# KiCad board Wireless Video Glass.kicad_pcb (continued)
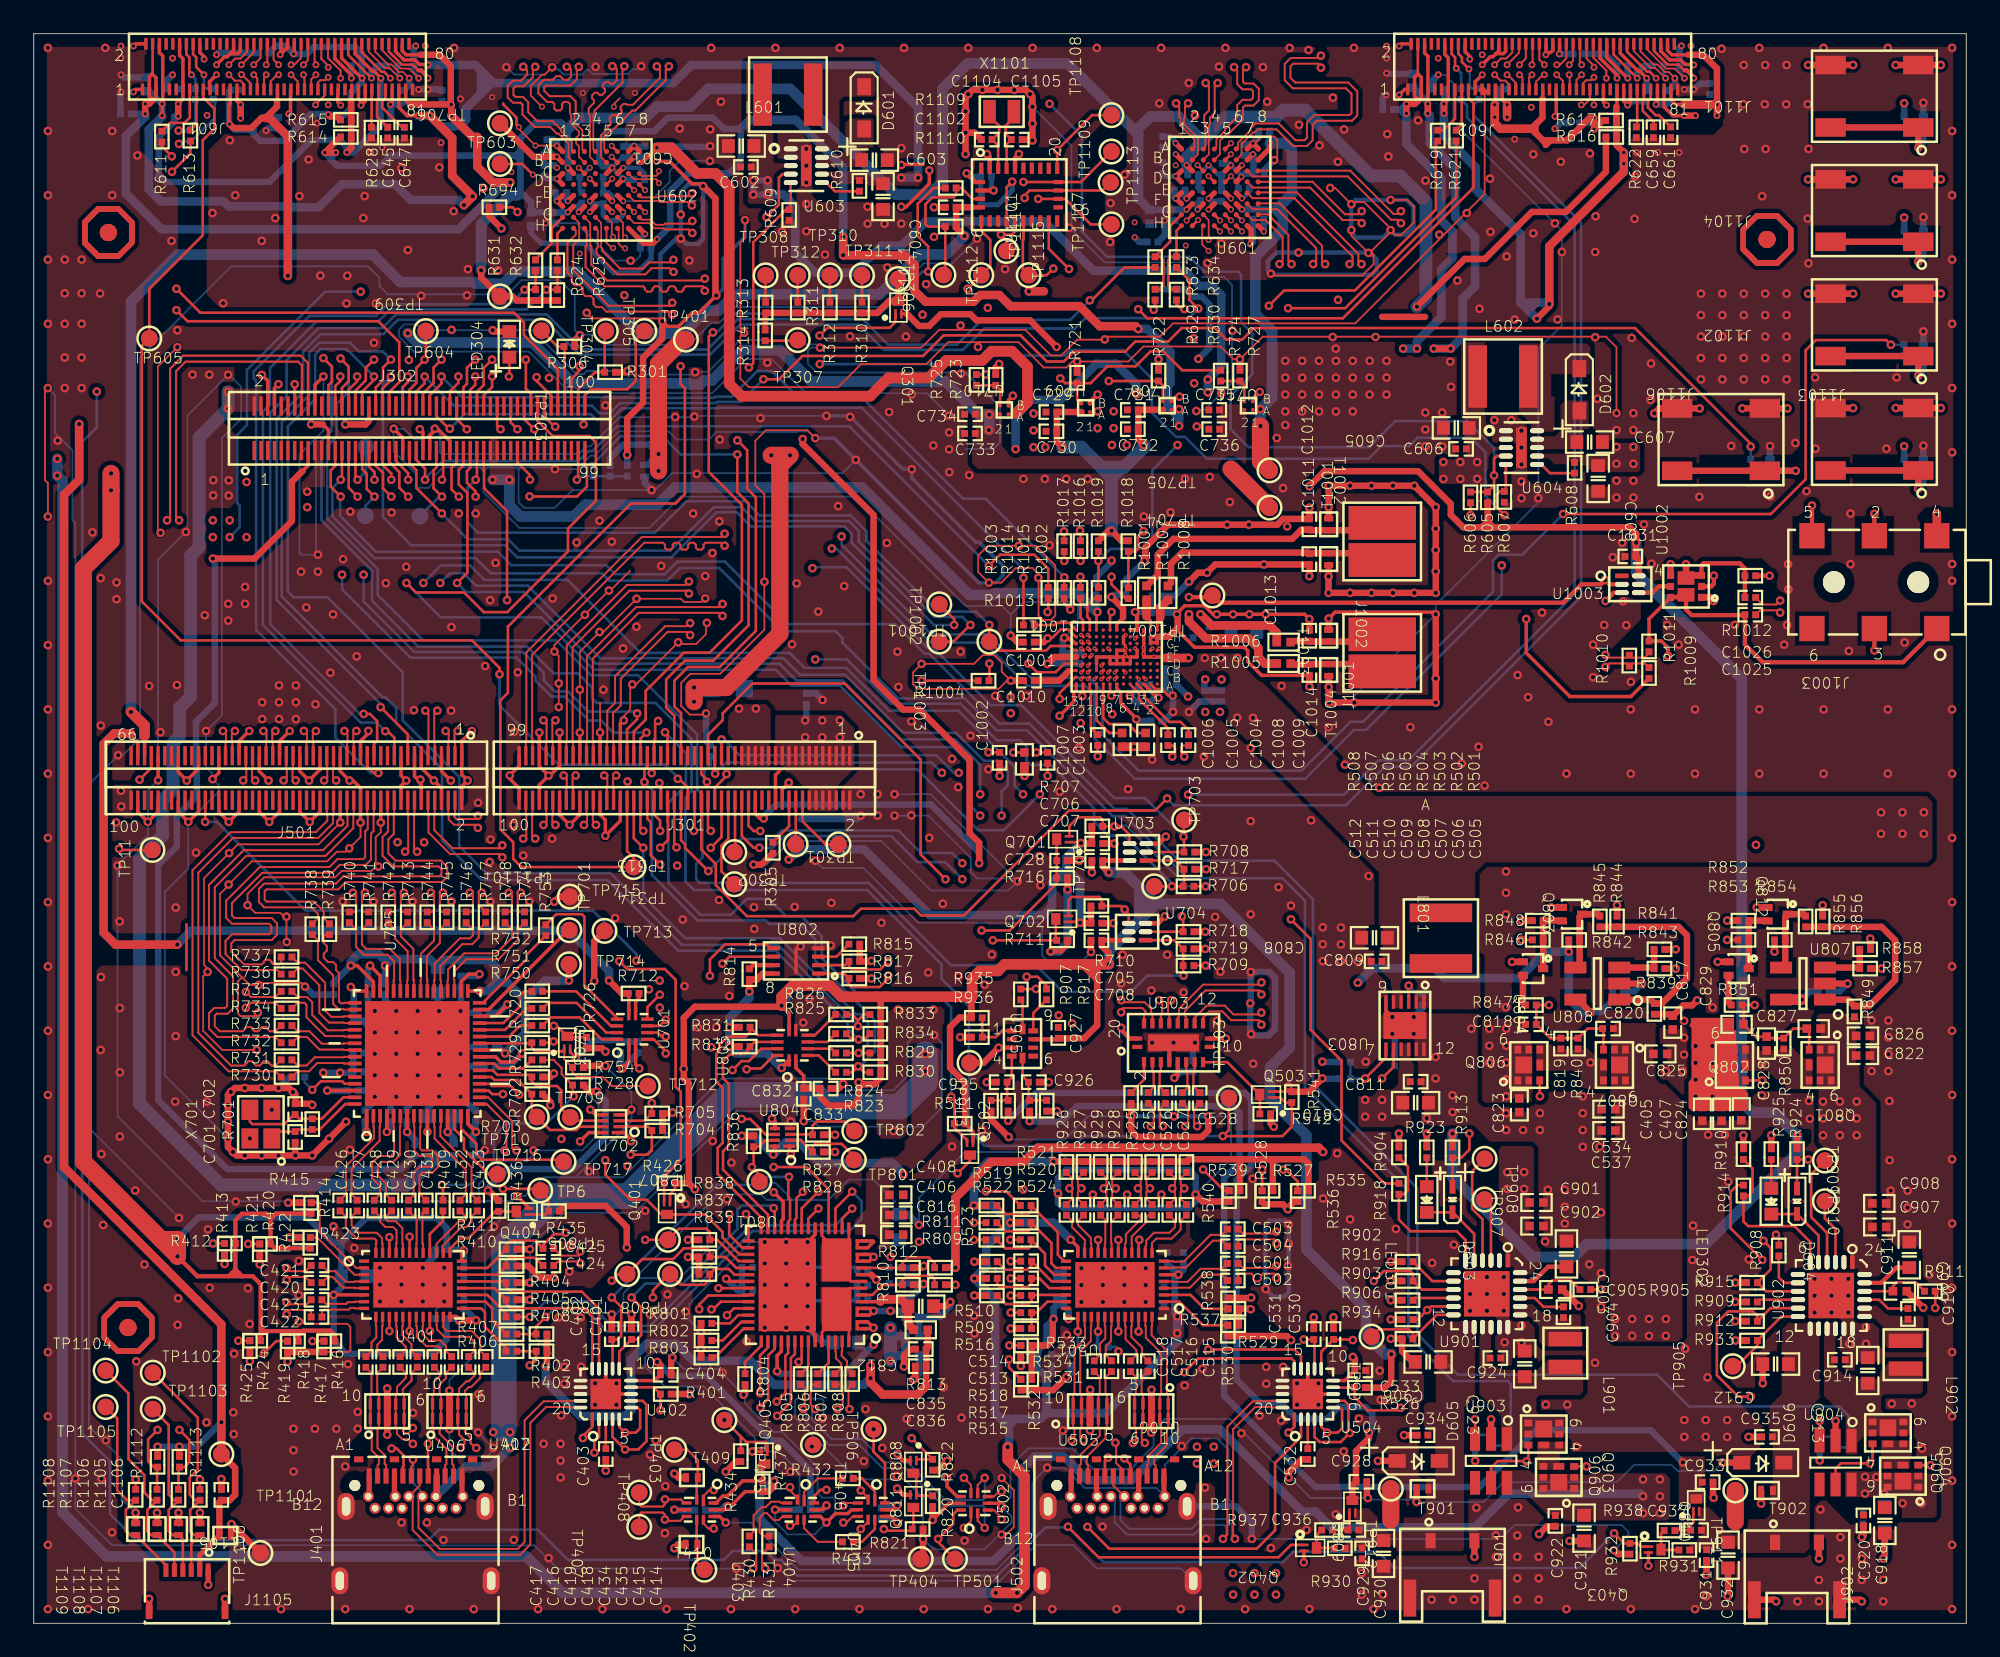
[diagram p0: board, top side]
## Routing (per net, layer and track width the routed paths; a pad name or vN(x,y) marks a point on that pad's centre or on a via; arc(x,y) is an arc through that point) (continued)
  TOP w0.203: v4(36.91,86.66) 37.69,86.66 39.01,85.34 39.54,85.34 v1(39.68,85.2) ; J601.18 9.85,93.12 10.1,92.87 v5(10.1,92.73) ; J501.50 15.77,48.1 v1(16.36,47.51) 16.97,48.12 J501.44 ; v5(85.86,92.4) 86.34,92.87 86.49,92.87 86.68,93.06 ; U404.8 46.63,6.33 v1(46.99,5.97) 47.52,6.5 48.25,6.5 48.48,6.73 48.86,6.73 ; U1001.E12 62.31,57.39 v2(62.31,57.39) ; J501.61 13.37,50.51 v1(13.92,49.96) ; U801.20 46.32,23.05 v1(45.87,22.6) ; U701.7 35.68,36.87 35.88,37.07 R712.1 ; v1(30.52,50.25) 30.59,50.25 31.17,50.83 J301.87 v1(31.17,52.81) ; v1(30.52,50.25) 29.97,49.7 J301.94 ; v1(30.52,50.25) 29.97,50.8 J301.93 v1(29.97,52.81) ; J602.29 87.05,90.31 v5(87.34,90.02) ; 86.68,93.06 87.12,93.06 87.25,93.19 J602.30 ; 86.68,93.06 86.85,93.23 J602.28 ; v1(58.04,72.77) 57.78,72.51 U710.B1 ; v1(45.87,17.52) 46.32,17.07 U801.51 ; J501.79 9.77,50.66 v1(9.07,49.96) 8.57,50.46 J501.85 ; v1(75.29,3.61) 75.29,3.61 Q402.2 ; 11.65,93.06 12.09,93.06 12.25,93.21 J601.30 ; 11.65,93.06 11.85,93.25 J601.28 ; 11.65,93.06 11.47,92.87 11.31,92.87 v5(10.83,92.4) ; 67.81,59.02 67.81,58.86 68.81,57.86 71.75,57.86 71.96,57.66 71.96,57.02 72.79,56.19 C1014.2 ; 6.42,90.93 6.06,90.93 v5(5.91,90.78) ; J302.45 21.87,70.28 v1(21.34,70.82) ; J602.45 90.25,89.41 v5(90.17,89.34) ; U1001.D10 U1001.E10 U1001.E9 U1001.E8 ; U1001.E8 U1001.E7 ; U1001.E8 U1001.D8 U1001.D7 ; U1001.E7 U1001.E6 U1001.D6 ; U1001.E7 U1001.F7 U1001.F6 ; U1001.E7 U1001.D7 ; U502.4 57.18,7.11 v1(57.37,6.92) ; 10.42,90.93 10.42,91.39 v5(10.83,91.8) ; U1001.D6 U1001.D5 U1001.E5 U1001.E4 U1001.F4 ; U1001.D6 U1001.D7 ; v5(89.64,92.99) 89.65,93 ; 89.65,93 89.77,93.12 89.92,93.12 90.05,93.25 J602.44 ; 89.65,93 J602.42 ; J501.7 24.17,50.51 v1(24.72,49.96) ; v2(64.71,58.59) 64.6,58.48 U1001.H6 U1001.G6 ; v1(34.97,53.53) 34.77,53.33 J301.69 ; v1(12.77,52.9) 12.17,52.3 J501.67 ; J602.67 94.65,90.17 v5(94.48,90) 94.25,90.23 J602.65 ; J602.75 96.25,90.12 v5(96.17,90.04) ; v5(18.2,90) 18.02,90.18 18.02,90.93 ; J501.2 25.37,49.61 v1(25.72,49.96) 25.37,50.31 J501.1 25.37,52.3 v1(25.97,52.9) ; v5(15.11,89.48) 15.22,89.59 15.22,90.93 ; 52.73,86.49 51.46,86.49 v1(51.43,86.45) ; J302.8 14.27,73.22 v1(14.5,73.46) ; J301.76 33.57,47.93 33.88,47.62 v1(33.88,46.69) 34.77,47.57 J301.70 ; v5(14.61,92.99) 14.62,93 ; U702.4 35.12,30.14 v1(35.43,30.45) ; v5(12.27,90.02) 12.05,90.24 J601.29 ; v1(37.97,6.73) 38.7,6.73 ; v1(67.92,72.72) 67.71,72.72 U708.B1 ; J301.75 v1(33.57,52.81) ; J302.53 23.47,70.41 23.77,70.71 v1(23.77,70.82) 23.94,70.82 24.67,70.08 J302.59 ; v1(44.75,49.83) 44.37,49.45 J301.22 ; J301.99 28.77,50.82 v1(28.22,50.27) 28.22,50.06 28.77,49.51 J301.100 ; J602.2 81.07,93.63 v5(80.93,93.5) ; v1(18.17,47.47) J501.38 ; J501.19 21.77,50.26 v1(22.08,49.96) 21.77,49.65 J501.20 ; U1001.B7 64.2,56.08 v2(64.09,55.97) ; J501.86 8.57,48.1 v1(9.16,47.51) 9.77,48.12 J501.80 ; v5(5.91,93.5) 6.04,93.63 6.62,93.63 ; U1001.G13 61.73,58.08 61.55,58.27 61.47,58.27 61.32,58.42 v1(61.09,58.42) ; J501.31 19.37,52.3 19.84,52.76 v1(19.84,52.9) ; U504.21 77.02,13.59 ; J501.55 14.57,52.3 v1(15.17,52.9) ; 64.71,57.39 v2(64.71,57.39) ; J501.43 16.97,50.61 v1(16.32,49.96) 15.77,50.51 J501.49 ; v1(51.18,5.97) 50.82,6.33 U405.8 ; J601.44 15.05,93.43 14.65,93.03 J601.42 ; U402.21 35.41,13.59 ; J501.13 22.97,50.71 v1(23.72,49.96) 24.17,49.51 J501.8 ; J602.58 92.85,92.79 93.86,91.78 v5(93.86,91.6) ; J501.37 18.17,50.51 v1(18.72,49.96) 18.92,49.96 19.37,49.51 J501.32 v1(19.37,47.47) ; v1(76.76,59.56) 77.14,59.94 82.98,59.94 v1(83.11,59.82) ; J501.14 22.97,49.71 22.92,49.77 v1(22.92,50.01) 22.77,50.01 22.57,50.22 J501.15 ; J302.14 v1(15.47,73.46) ; v1(28.65,25.32) 29.36,24.62 Q404.2 ; J602.59 93.05,90.18 v5(93.23,90) ; v1(51.43,83.97) 51.71,83.97 53.09,85.34 v1(53.09,86.13) ; 64.71,57.79 v2(64.71,57.79) ; J501.92 7.37,48.12 v1(6.76,47.51) 6.17,48.1 J501.98 ; Q405.2 42.6,10.19 v1(42.6,10.19) ; J501.73 10.97,50.41 v1(10.6,50.04) ; 54.95,7.51 54.74,7.51 54.14,8.11 v1(54.14,8.62) ; J601.67 19.65,90.23 19.41,89.99 v5(19.41,89.99) 19.41,90.2 19.25,90.35 J601.65 ; J501.62 13.37,48.1 v1(13.96,47.51) 14.57,48.12 J501.56 ; v1(67.77,59.82) 67.77,59.84 67.81,59.88 67.81,59.91 68.22,60.33 69.39,60.33 69.9,59.82 v1(70.13,59.82) v1(71.09,59.82) v1(72.06,59.82) v1(73.02,59.82) 75.33,59.82 v1(75.62,59.53) ; v5(85.86,91.8) 85.45,91.39 J602.21 ; v1(20.57,47.47) J501.26 ; J301.88 31.17,47.93 v1(31.77,47.33) 32.37,47.93 J301.82 ; J501.68 12.17,48.12 v1(11.56,47.51) 10.97,48.1 J501.74 ; U711.B1 72.26,72.59 v1(72.67,73) ; v5(85.13,92.73) 85.13,92.89 84.85,93.17 J602.18 ; v5(18.83,91.6) 18.83,91.78 17.85,92.76 J601.58 ; v1(17.17,73.91) 16.67,73.41 J302.20 ; v5(80.93,90.6) 81.26,90.93 J602.1 ; J301.81 v1(32.37,52.81) ; v1(43.94,6.73) U404.4 ; J601.75 21.25,90.15 v5(21.14,90.04) ; v1(40.46,78.71) 39.42,77.67 39.01,77.67 38.23,76.89 37.57,76.89 v1(37.26,77.19) ; 65.29,57.79 v2(65.29,57.8) ; v1(41.02,5.97) 40.66,6.33 U403.8 ; v1(95.71,3.4) Q403.2 ; U803.6 80.16,36.32 v1(80.53,35.94) ; v2(65.28,58.37) 65.29,58.37 ; v1(7.37,49.98) J501.91 ; 66.54,58.14 U1001.G1 U1001.H1 U1001.H2 U1001.G2 66.25,58.14 66.54,58.14
  TOP w0.229: U402.21 33.91,15.09 ; U504.21 75.52,15.09
  TOP w0.254: v1(58.39,87.1) 58.17,86.87 U1101.25 ; v1(63.07,72.85) 62.61,72.39 U709.B1 ; Q808.2 51.52,9.65 51.2,9.96 v1(51.2,10.05) ; U503.5 67.31,34.17 v1(67.56,34.42) ; U503.11 v1(70.67,34.67) ; 97.83,92.06 97.99,92.06 98.4,91.65 v5(98.4,91.6) ; v1(64.46,35.3) 64.46,35.17 64.97,34.67 U503.20 ; v1(55.3,85.96) 55.81,85.44 U1101.2 ; U1003.3 93.66,61.09 v1(93.17,60.6) ; v1(57.19,34.12) U905.3 ; 22.8,92.06 22.96,92.06 23.37,91.65 v5(23.37,91.6)
  TOP w0.279: v1(67.11,46.63) 66.69,46.22 U703.3 ; U704.3 66.64,41.5 v1(67.06,41.91)
  TOP w0.305: U602.F1 31.04,84.31 v4(31.01,84.31) U602.E1 ; J502.B1 67,7.57 J502.A12 ; U601.D1 v4(67.69,85.79) 67.72,85.79 U601.C1 ; v4(67.69,87.74) U601.A1 ; U601.F5 v4(70.97,83.81) ; J502.B12 61.5,7.57 J502.A1 ; U601.E6 v4(71.62,84.46) ; U602.H8 v4(36.24,82.36) ; U602.F5 v4(34.29,83.66) ; U601.E1 v4(67.69,84.46) 67.72,84.46 U601.F1 ; J401.A1 19.88,7.57 J401.B12 ; J401.A12 25.38,7.57 J401.B1 ; U602.C1 31.04,85.64 v4(31.01,85.64) U602.D1 ; U602.A8 35.9,87.28 v4(35.59,87.59) U602.A7 ; U601.A7 v4(72.27,87.74) 72.58,87.43 U601.A8 ; U601.H8 v4(72.92,82.51) ; v4(31.01,87.59) U602.A1 ; v1(10.34,2.28) J1105.1 ; v4(69.64,83.81) U601.F4 ; U602.E5 v4(34.29,84.31) ; U602.E6 v4(34.94,84.31) ; U602.C6 v4(34.94,86.29) ; U601.E5 v4(70.97,84.46) ; v4(32.96,83.66) U602.F4 ; U601.C6 v4(71.62,86.44)
  TOP w0.381: R708.2 v1(69.49,45.72) ; v1(110.38,85.6) J1104.3 v1(113.04,85.6) ; R540.2 69.29,25 v1(68.87,25.42) ; T1106.1 v1(9.85,6.55) ; R434.2 41.62,9.59 v1(41.02,8.98) ; v1(108.36,1.3) 108.26,1.39 J902.3 ; v1(42.08,13.55) 42.16,13.63 R804.1 ; C833.2 47.7,31.7 v1(47.98,31.98) ; R856.1 v1(106.05,42.57) ; v1(33.88,33.05) 32.68,33.05 R754.2 ; v1(110.38,72.04) J1103.3 v1(113.04,72.04) ; R843.1 v1(97.33,38.81) ; v1(54.91,34.75) R936.1 ; T1002.1 v1(76.76,66.17) v1(76.76,67.44) v1(78.03,67.44) v1(79.3,67.44) v1(80.57,67.44) v1(81.84,67.44) v1(83.11,66.17) v1(83.11,64.9) v1(83.11,63.63) v1(83.11,62.36) v1(83.11,61.09) v1(81.84,61.09) v1(80.57,61.09) v1(79.3,61.09) v1(78.03,61.09) v1(76.76,61.09) 76.75,61.09 v1(76.75,62.06) 76.76,62.06 T1001.1 ; v1(113.04,78.82) J1102.3 v1(110.38,78.82) ; C922.2 89.7,5.75 v1(89.23,5.28) ; v1(62.67,39.79) C708.2 ; R530.2 74.28,17.03 v1(74.52,16.79) ; R417.2 15.05,16.09 R419.2 v1(15.05,15.51) ; v1(75.61,62.08) 75.62,62.08 C1011.2 v1(72.92,62.77) 70.03,62.77 v1(69.55,62.28) 69.01,62.28 v1(68.48,61.75) ; 80.43,82.56 v1(80.43,82.59) ; v1(52.76,20.12) 52.7,20.07 R810.1 ; v1(79.12,81.24) 79.18,81.24 ; v1(100.86,19.05) R909.1 ; v1(85.4,3.94) J901.2 ; v1(57.23,74.66) 57.02,74.45 R723.1 ; R821.2 v1(52.72,5) 52.72,3.95 TP404.1 ; v1(39.68,85.2) 40.41,84.47 40.41,78.76 v1(40.46,78.71) ; v1(62.72,44.52) C707.2 ; v1(101.28,72.02) J1106.3 v1(103.95,72.02) ; 79.93,77.45 82.47,77.45 ; C404.2 37.79,15.67 v1(37.86,15.75) ; v1(20.95,11.18) U406.3 ; v1(57.91,17.48) R515.2 ; v1(80.44,21.44) R902.1 ; v1(105.18,85.6) J1104.4 v1(107.84,85.6) ; v1(101.65,11.05) C935.2 ; R718.1 v1(69.44,41) ; v1(37.97,4.44) 38.2,4.67 T410.1 ; U904.2 v1(106.81,11.99) ; v1(80.44,16.87) R934.1 81.11,16.12 81.74,15.49 C906.2 ; v1(58.51,15.26) R534.2 ; v1(99.82,39.21) Q805.2 ; v1(55.24,88.37) 55.76,88.37 C1104.2 ; v1(55.24,88.37) v1(55.24,87.1) ; v1(55.24,88.37) v1(55.24,89.64) 55.24,90.49 v1(55.4,90.65) 55.65,90.91 v1(56.24,90.91) v1(57.12,90.91) v1(58.12,90.91) 58.8,90.91 v1(59.05,90.65) 59.2,90.51 v1(59.2,89.91) v1(59.2,88.91) v1(59.2,87.91) 59.15,87.96 C1105.2 ; C836.2 52.26,14.56 v1(52.15,14.45) ; C728.2 v1(61.98,45.21) ; v1(45.64,29.77) C832.2 ; J1103.4 v1(107.84,72.04) ; C812.1 54.08,18.8 v1(54.33,19.05) ; C918.1 109.73,3.93 v1(109.63,3.84) ; v1(67.77,59.82) 67.81,59.78 67.81,59.02 67.27,58.48 U1001.H1 ; v1(100.86,16.76) R933.1 ; v1(13.4,21.27) R421.2 ; C1013.2 v1(75.62,59.53) ; v1(32.37,76.36) 32.07,76.06 R306.2 ; C706.2 v1(64.06,46.23) ; TP715.1 31.17,43.08 v1(30.86,42.77) ; R305.2 43.14,44.97 v1(42.67,44.97) ; R541.2 75.59,31.51 v1(76.38,32.3) ; R435.2 31.46,24.74 33.91,24.74 35.15,23.5 v1(35.15,22.28) ; C701.2 15.49,27.75 v1(15.51,27.73) ; C928.2 79.02,7.49 v1(79.09,7.42) ; v1(75.62,66.14) C1012.2 74.06,65.47 73.71,65.13 v1(72.03,65.13) v1(70.74,65.13) 67.23,65.13 v1(66.8,64.69) 65.89,63.78 65.89,63.02 v1(65.85,62.98) ; C1001.2 58.3,58.17 v1(57.91,58.56) ; J1105.7 v1(11.34,1.45) ; v1(27.2,76.66) 27.28,76.58 LED304.2 ; v1(15.08,24.93) R415.2 ; R721.1 v1(61.85,74.8) ; T1105.1 11.7,5.86 v1(11.72,5.88) TP1106.1 ; v1(33.91,9.04) C403.2 ; v1(80.44,18.01) R906.2 ; v1(102.39,7.09) T902.1 ; C531.2 v1(75.88,18.14) ; v1(62.62,13.84) 62.61,13.84 U505.8 ; v1(89.94,42.44) Q803.2 ; U1002.4 v1(97.03,62.78) ; U506.3 66.25,13.84 v1(66.26,13.84) ; v1(56.49,32.08) C925.2 ; v1(57.78,28.83) 56.74,29.87 R926.2 ; C1106.1 v1(11.12,8.55) ; U506.8 66.25,11.31 v1(66.24,11.3) ; v1(103.28,1.3) 103.18,1.39 J902.4 ; T1004.1 v1(76.76,55.5) 76.76,54.61 v1(76.78,54.58) v1(78.28,54.58) v1(83.11,54.58) v1(83.11,56.01) v1(83.11,59.82) ; v1(87.63,39.21) Q804.2 ; C532.2 75.14,9.71 74.39,8.96 v1(74.39,8.64) ; R301.2 35.13,74.17 v1(35.2,74.24) ; v1(52.76,21.18) 52.65,21.08 R812.1 ; v1(99.14,2.87) 99.16,2.9 C931.2 ; R722.1 v1(66.67,74.93) ; v1(55.75,19.43) R516.2 ; TP913.1 56.3,33.22 v1(57.19,34.12) ; v1(37.26,77.19) 37.26,76.17 36.12,75.03 36.12,72.36 35.18,71.42 v1(35.18,69.27) ; C921.1 91.04,4.88 v1(91.03,4.88) ; v1(105.18,78.82) J1102.4 v1(107.84,78.82) ; R932.2 93.91,4.1 v1(93.68,4.33) ; J602.23 86,90.78 ; R928.2 v1(60.66,30.36) ; T1107.1 v1(8.58,6.55) ; C905.1 v1(91.58,18.81) ; R803.1 R802.1 v1(39.56,17.27) R801.1 ; v1(96.06,71.73) 96.36,72.02 J1106.4 v1(98.75,72.02) ; R532.2 60.43,13.82 v1(61.21,14.6) ; R717.1 v1(69.49,44.7) ; v1(53.37,83.95) C1102.2 ; R411.2 v1(29.41,22.17) ; v1(80.44,20.29) R916.1 ; C926.2 v1(60.17,32.08) ; v1(54.14,9.62) 53.6,9.08 R822.2 ; v1(105.18,92.38) J1101.4 v1(107.84,92.38) ; v1(99.58,60.6) 99.36,60.82 U1002.1 ; U807.2 v1(107.52,37.92) ; R525.1 v1(65.05,30.05) 65.05,29.21 65.43,28.83 69.24,28.83 69.62,29.21 v1(69.62,30.05) ; v1(12.81,15.53) R425.2 ; T1108.1 v1(7.31,6.55) ; v1(80.44,19.15) R903.1 ; C920.2 108.46,5.2 v1(108.36,5.11) ; R536.2 74.72,25 74.34,24.62 v1(74.34,24.54) 74.04,24.84 72.97,24.84 R528.2 ; v1(11.31,21.3) R413.2 ; C401.2 v1(35.43,18.31) ; v1(72.16,19.3) 72.14,19.28 R538.2 ; v1(57.91,55.88) C1010.2 ; R405.1 v1(29.41,19.18) ; U903.2 v1(86.39,12.09) ; R904.1 v1(80.92,29.03) ; R844.1 v1(93.85,42.57) ; v1(18.51,29.73) v1(17.51,28.73) v1(16.51,27.73) v1(15.51,27.73) ; C911.1 v1(112,18.71) ; T1109.1 v1(6.04,6.55) ; v1(100.86,20.19) R915.1 ; v5(12.27,89.22) v5(12.27,90.02) ; v1(88.19,41.66) R848.1 ; U407.8 v1(24.64,13.79) ; C705.2 v1(64.01,41.5) ; v1(15.51,27.73) v1(14.51,27.73) v1(13.51,27.73) v1(12.51,27.73) 12.02,27.73 v1(11.81,27.94) 11.51,28.24 v1(11.51,28.73) v1(11.51,29.73) v1(11.51,30.73) 11.51,31.32 v1(11.68,31.5) 11.92,31.73 v1(12.51,31.73) v1(13.51,31.73) v1(14.51,31.73) 15.13,31.73 v1(15.37,31.5) 15.51,31.35 15.51,30.82 C702.2 16.44,30.8 v1(16.51,30.73) ; v1(100.38,41.66) R852.1 ; v1(37.97,8.87) 38.21,8.64 T409.1 ; R910.1 v1(101.35,28.93) ; 99.54,7.48 C933.2 ; v1(110.38,92.38) J1101.3 v1(113.04,92.38) ; R727.1 v1(71.5,74.93) ; v1(102.49,14.23) C912.2 ; R857.1 v1(109.52,38.81) ; v1(105.82,3.84) J902.2 ; 100.43,1.63 C932.1 ; v1(102.13,42.44) Q812.2 ; R719.1 v1(69.44,39.98) ; C835.2 51.97,16.26 51.59,15.88 v1(51.59,15.21) ; T1003.1 v1(76.76,59.56) ; v1(62.61,11.43) U505.3 ; U808.2 v1(95.33,37.92) ; C402.2 v1(34.26,18.31) ; R694.2 26.98,83.43 v1(27.72,82.69) ; v1(57.25,50.24) C1002.2 ; v1(100.86,17.91) R912.2 ; v1(100.1,9.53) D606.1 ; v1(55.75,21.44) R510.1 ; v1(81.23,11.15) C934.2 ; R404.1 v1(29.41,20.19) ; v1(79.68,9.63) D605.1 ; v1(15.18,22.88) R423.2 ; U406.8 v1(20.95,13.92) ; C530.2 v1(77.05,18.14) ; v1(24.64,11.51) U407.3 ; J1105.8 v1(6.84,1.45) ; v1(75.62,55.53) C1014.2 ; v1(81.97,7.19) T901.1
  TOP w0.508: v5(87.34,89.29) v5(87.34,90.02) ; v1(58.99,78.96) 59.88,78.96 ; C1004.2 v1(65.23,51.96) C1005.2 ; v1(58.72,50.24) C1007.2
  GND02 w0.127: v2(62.31,57.39) 61.8,57.39 61.29,56.88 v3(61.06,56.88)
  GND02 w0.203: v1(64.97,54.99) 64.74,55.22 64.74,55.31 v2(64.09,55.97)
  GND02 w0.381: 61.77,7.87 61.45,7.55 J502.B12
  ART03 w0.102: v1(42.6,10.19) 41.83,10.19 39.88,12.14 36.69,12.14 35.87,12.95 v1(34.54,12.95) ; v1(60.66,30.36) 57.55,30.36 56.62,29.44 51.21,29.44 v1(50.95,29.18) 50.7,29.44 47.26,29.44 46.1,28.27 43.61,28.27 42.86,27.52 41.56,27.52 v1(41.35,27.31) 41.19,27.31 40.88,27 38.4,27 37.75,26.35 37.75,25.96 v1(36.25,24.46) 36.11,24.59 31.63,24.59 29.41,22.37 v1(29.41,22.17) 29.39,22.17 28.47,21.26 28.47,17.35 26.49,15.36 v1(18.63,15.36) 15.2,15.36 v1(15.05,15.51) 15.05,16.37 13.73,17.69 13.73,19.15 14.11,19.53 15.63,19.53 v1(15.71,19.45) 18.52,22.25 v1(19,22.25) 19,22.73 19.79,23.52 v1(27.28,23.52) 29.11,23.52 31.15,25.56 35.7,25.56 38.87,28.74 ; v1(40.64,65.33) 38.85,63.54 38.03,63.54 37.2,62.71 v1(37.2,62.68) 36.96,62.44 36.96,56.52 36.09,55.66 v1(35.48,55.66) 34.08,55.66 v1(33.77,55.35) 33.62,55.2 33.62,52.86 v1(33.57,52.81) ; v1(47.24,40.19) 46.88,40.19 45,38.31 41.96,38.31 41.85,38.21 41.85,36.94 41.96,36.84 42.93,36.84 43.28,37.19 45.04,37.19 45.19,37.03 v1(45.97,37.03) 46.57,37.03 47.21,37.68 50.7,37.68 51.78,38.76 51.78,39.9 51.49,40.19 v1(47.24,40.19) ; v1(47.24,40.19) 47.61,40.56 47.79,40.56 49.87,42.64 49.99,42.51 58.27,42.51 60.76,40.03 62.44,40.03 v1(62.67,39.79) 62.13,39.25 60.11,39.25 ; v4(67.69,84.46) 67.64,84.41 64.05,84.41 v1(63.83,84.2) 63.64,84.39 61.95,84.39 61.31,83.75 61.31,82.8 61.33,82.78 ; v4(36.91,86.66) 36.91,86.79 37.36,87.25 37.36,87.73 37.22,87.88 35.88,87.88 v4(35.59,87.59) 35.2,87.98 31.4,87.98 v4(31.01,87.59) 29.47,87.59 26.95,85.06 v1(26.65,85.06) 25.82,85.06 24.89,84.14 v1(24.89,83.72) ; v1(12.77,52.9) 12.27,52.4 12.01,52.4 10.6,50.99 v1(10.6,50.04) 10.72,49.92 10.72,48.54 11.56,47.71 v1(11.56,47.51) 11.09,47.04 11.09,41.92 12.2,40.81 17.09,40.81 18.31,42.04 v1(18.31,42.8) ; v1(67.53,54.03) 67.53,53.69 66.89,53.05 64.92,53.05 64.57,53.4 64.57,54.59 v1(64.97,54.99) 64.47,55.5 61.93,55.5 61.69,55.26 61.69,54.46 64.19,51.96 v1(65.23,51.96) ; v1(15.17,52.9) 15.17,52.53 13.68,51.03 12.83,51.03 11.95,50.16 11.95,49.64 12.16,49.43 12.27,49.43 ; v1(63.8,81.89) 63.8,81.74 62.81,80.75 60.82,80.75 60.67,80.9 58.01,80.9 57.58,80.47 ; v1(63.8,81.89) 63.92,81.78 65.43,81.78 66.82,83.17 ; v1(63.8,81.89) 64.72,82.8 64.72,83.26 64.9,83.44 65.58,83.44 65.86,83.17 66.82,83.17 ; v1(35.15,22.28) 35.15,22.64 36.06,23.54 ; v1(27.52,80.21) 27.04,79.73 26.01,79.73 25.74,79.99 v1(25.74,80.27) ; v1(27.52,80.21) 27.05,80.69 26,80.69 25.74,80.43 v1(25.74,80.27) ; v1(27.52,80.21) 30.61,80.21 30.89,80.49 ; v1(25.74,80.27) 25.67,80.21 24.83,80.21 23.66,81.38 22.21,81.38 v1(22.18,81.41) 21.64,81.96 v1(13.51,81.96) v1(8.17,81.96) ; 38.58,57.77 v1(38.2,58.16) 38.06,58.3 38.06,61.67 38.7,62.31 39.57,62.31 v1(39.8,62.08) 41.3,62.08 48.19,68.97 v1(48.73,68.97) 48.73,69.08 49.58,69.93 49.58,77.58 52.9,80.9 57.19,80.9 57.58,80.51 57.58,80.47 ; 38.58,57.77 38.86,57.5 41.41,57.5 ; 38.58,57.77 38.58,54.57 ; v1(57.78,28.83) 59.74,26.87 61.42,26.87 61.9,27.36 61.9,28.83 67.49,34.42 v1(67.56,34.42) ; v1(24.89,83.72) 24.48,83.31 v1(19.54,83.31) v1(14.32,83.31) 14.29,83.28 10.92,83.28 v1(10.59,83.61) 10.31,83.89 10.31,88.36 10.36,88.41 10.27,88.5 v5(10.27,89.4) ; v1(24.89,83.72) 25.17,83.44 26.85,83.44 27.59,82.69 v1(27.72,82.69) 27.72,82.26 27.91,82.07 29.42,82.07 v4(30.36,83.01) 30.62,83.27 32.57,83.27 v4(32.96,83.66) ; v1(23.77,70.82) 22.37,69.41 8.07,69.41 3.93,65.27 1.18,65.27 v1(0.84,65.61) ; 66.82,83.17 v4(67.05,83.17) ; v1(31.23,10.64) 32.36,11.78 35.28,11.78 37.97,9.08 v1(37.97,8.87) ; 39.44,23.12 40.35,22.22 40.47,22.22 41.64,21.05 41.64,17.84 40.05,16.26 v1(39.55,16.26) 38.1,14.81 38.1,13.4 38.47,13.03 39.73,13.03 41.35,14.66 41.35,15.8 v1(42.26,16.7) 43.07,17.52 v1(43.33,17.52) ; 39.44,23.12 39.22,23.34 38.38,23.34 37.91,22.87 37.91,19.6 36.62,18.31 v1(36.53,18.31) v1(35.43,18.31) ; 39.44,23.12 39.44,19.36 37.82,17.74 37.82,15.79 v1(37.86,15.75) ; v5(21.14,90.04) 21.62,90.04 21.84,89.81 23.93,89.81 24.68,90.56 25.1,90.56 v5(25.29,90.37) ; v1(11.12,8.55) 11.12,9.85 11.64,10.37 11.64,12.16 11.4,12.4 10.72,12.4 v1(10.24,11.91) 9,13.15 9,23.53 8.61,23.92 v1(8.61,24.03) ; v5(8.23,91.8) 8.23,91.36 9.13,90.46 9.13,85.97 7.63,84.47 7.63,82.49 v1(8.17,81.96) ; v1(38.86,80.79) 40.01,80.79 40.63,81.41 43.26,81.41 v1(44.35,82.5) ; v5(25.29,90.37) 25.32,90.35 25.32,89.33 24.95,88.96 20.44,88.96 v5(19.41,89.99) 18.37,88.96 15.64,88.96 v5(15.11,89.48) 16.02,90.39 16.93,90.39 17.3,90.02 v5(17.46,90.02) ; v5(25.29,90.37) 25.39,90.47 v4(27.17,90.47) 27.17,90.57 27.52,90.91 32.36,90.91 v4(32.55,90.72) 32.83,90.72 33.03,90.93 35.43,90.93 v4(35.64,90.72) 36.88,90.72 37.02,90.86 40.08,90.86 v1(40.73,90.21) 40.77,90.21 41.19,89.78 41.19,84.4 40.38,83.59 38.43,83.59 v1(38.35,83.52) ; v1(43.33,21.33) 40.19,24.48 40.19,25.93 39.92,26.2 38.99,26.2 38.64,25.85 38.64,24.48 37.7,23.54 36.06,23.54 ; v1(64.01,70.85) 66.01,70.85 66.34,70.51 66.34,69.67 66.04,69.37 65.23,69.37 64.79,69.81 v1(64.79,69.85) ; v1(80.44,16.87) 80.95,16.36 80.95,15.63 80.29,14.97 v1(79.79,14.97) ; v1(26.34,48.64) 25.85,48.15 25.85,46.32 27.03,45.14 v1(27.03,45.14) 27.06,45.14 27.37,44.83 28.15,44.83 29.45,43.53 29.45,42.88 v1(29.38,42.8) 29.18,42.61 29.18,37.06 26.49,34.37 26.49,29.95 26.74,29.7 v1(26.74,28.04) ; v1(40.23,63.45) 40.35,63.34 41.23,63.34 42.81,64.92 42.81,64.93 48.39,70.51 v1(48.39,71.52) 48.39,76.29 v1(48.39,76.3) 48.39,78.17 v1(50.6,80.38) 50.62,80.38 52.5,82.26 53.3,82.26 v1(53.37,82.19) ; v1(72.16,34.92) 73.05,34.92 73.43,35.31 73.43,38.28 73.1,38.61 v1(72.14,38.61) ; 38.87,28.74 38.98,28.74 ; 38.87,28.74 38.93,28.79 ; v1(29.97,52.81) 29.97,52.84 29.74,53.07 29.74,54.83 29.62,54.96 ; 12.27,49.43 13.39,49.43 v1(13.92,49.96) ; 12.27,49.43 12.79,48.91 12.79,42.69 v1(12.67,42.57) 13.06,42.19 16.11,42.19 18.31,44.39 19.29,44.39 20.14,43.54 v1(20.14,42.8) ; 29.62,54.96 28.78,55.8 27.39,55.8 26.76,56.42 v1(26.76,56.75) ; 29.62,54.96 29.62,55.46 v1(28.7,56.38) 28.33,56.75 v1(26.76,56.75) ; v1(36.47,37.58) 35.58,37.58 35.47,37.46 31.52,37.46 31.22,37.77 31.22,38.65 31.32,38.75 35.88,38.75 38.09,40.97 38.09,41.35 v1(38.47,41.72) 38.47,42.39 41.06,44.97 v1(42.67,44.97) 43.54,45.85 45.26,45.85 45.91,45.2 v1(46.33,45.2) 46.33,44.96 44.74,43.37 41.11,43.37 v1(40.62,42.88) 40.13,42.38 40.13,41.48 37.1,38.45 v1(37.1,38.1) ; J502.2 71.12,9.68 71.12,10.72 70.54,11.3 v1(66.24,11.3) ; v1(8.17,81.96) 3.54,81.96 v1(0.84,84.66) ; 38.98,28.74 40.09,28.74 v1(40.25,28.59) 40.42,28.41 42.2,28.41 43.15,29.36 44.49,29.36 v1(44.88,29.75) 44.26,30.36 40.5,30.36 38.98,28.84 ; 38.98,28.74 38.98,28.84 ; 38.98,28.74 38.93,28.79 ; v1(55.91,82.08) 55.91,82.39 55.58,82.73 53.9,82.73 v1(53.37,82.19) ; v1(55.91,82.08) 56.36,82.08 56.61,81.83 58.62,81.83 59.56,82.78 61.33,82.78 ; v1(55.91,82.08) 55.62,81.79 53.77,81.79 v1(53.37,82.19) ; v5(87.34,89.29) 86.92,88.87 86.39,88.87 86.14,89.12 ; 28.29,31.72 27.42,32.59 27.42,33.96 28.12,34.67 29.55,34.67 30.68,33.53 v1(32.13,33.53) 32.13,32.96 31.29,32.13 28.7,32.13 28.29,31.72 ; 28.29,31.72 28.29,30.69 ; v1(52.15,14.45) 51.76,14.06 49.24,14.06 48.89,14.4 48.89,15.34 49.3,15.75 49.3,18.7 49.6,19 51.38,19 51.8,18.59 51.8,15.43 v1(51.59,15.21) ; v1(46.74,12.14) 46.9,12.31 46.9,12.86 47.21,13.17 49.09,13.17 49.3,12.96 v1(49.3,12.7) ; 36.53,69.65 36.73,69.85 37.49,69.85 37.77,69.57 37.77,67.62 v1(34.26,64.12) 30.9,60.76 v1(30.76,60.76) 29.19,59.19 19.34,59.19 19.14,58.98 v1(19.14,57.32) 19.14,57.25 19.43,56.97 24.03,56.97 ; 36.53,69.65 36.39,69.78 36.39,74.71 36.13,74.98 36.13,77.89 35.29,78.73 v1(35.01,78.73) 35.05,78.77 36.49,78.77 37.23,79.51 37.23,81.37 37.95,82.09 v1(38.35,82.09) 38.52,81.93 41.98,81.93 42.16,82.12 v1(42.16,83.19) 42.16,91.39 v1(40.16,93.4) 38.57,91.81 36.54,91.81 36.04,92.31 v1(36.01,92.31) 35.51,91.81 28.37,91.81 28.01,92.16 v1(28.01,92.25) 24.69,92.25 v5(23.37,90.93) ; 36.53,69.65 36.53,67.82 36.63,67.72 v1(36.63,67.18) ; 38.58,54.57 38.58,54.09 38.73,53.94 v1(39.85,53.94) 39.85,55.94 41.41,57.5 ; 38.58,54.57 38.45,54.44 35.43,54.44 34.97,53.98 v1(34.97,53.53) 35.27,53.23 35.27,45.75 35.74,45.28 35.74,42.53 35.18,41.97 34.63,41.97 v1(34.46,41.8) 34.29,41.97 33,41.97 32.32,42.65 32.32,46.03 31.77,46.59 v1(31.77,47.33) ; v5(24.15,87.78) 24.28,87.91 26.12,87.91 28.12,89.91 v4(30.13,89.91) 30.73,89.91 30.93,89.72 34.2,89.72 v4(34.39,89.9) 34.57,89.72 39.35,89.72 40.1,88.98 v1(40.1,88.57) ; v1(27.07,42.8) 27.07,43.52 24.56,46.02 24.56,47.91 24.1,48.37 21.3,48.37 19.82,49.84 19.82,50.56 17.93,52.45 17.93,53.32 18.11,53.5 19.24,53.5 v1(19.84,52.9) ; v1(74.97,81.26) 74.97,80.92 75.26,80.63 75.26,80.08 76.87,78.46 v1(77.32,78.46) ; v1(74.97,81.26) 76.04,81.26 76.5,81.73 76.5,84.74 v1(76.85,85.09) 77.95,86.19 80.7,86.19 80.8,86.29 80.8,86.46 v1(80.3,86.95) 80.8,87.45 80.8,87.7 80.7,87.8 78.69,87.8 78.15,88.35 78.15,91.15 78.89,91.9 v5(80.19,91.9) 80.28,91.8 v5(83.26,91.8) 83.28,91.78 85.84,91.78 v5(85.86,91.8) ; v1(74.97,81.26) 73.65,81.26 73.33,80.94 v1(73.33,80.01) 77.08,76.26 v1(79.54,76.26) 86.61,76.26 87.65,77.29 v1(87.79,77.29) 87.79,77.43 90.17,79.82 v1(90.17,82.99) v5(90.17,88.6) ; 84.96,77.93 v1(85.7,77.93) 86.7,77.93 88.89,80.12 v1(88.89,82.4) v1(88.89,87.09) 88.89,89.76 v5(88.77,89.87) ; 84.96,77.93 84.38,78.51 77.37,78.51 v1(77.32,78.46) ; 84.96,77.93 84.63,77.6 77.8,77.6 77.32,78.08 v1(77.32,78.46) ; v1(43.94,6.73) 43.89,6.78 43.89,7.78 44.66,8.54 45,8.54 ; 36.06,23.54 35.03,23.54 34.72,23.85 33.01,23.85 31.8,22.64 v1(31.8,22.38) ; 16.31,86.84 14.38,86.84 13.77,87.45 v5(13.77,88.49) ; 16.31,86.84 17.09,87.63 19.41,87.63 19.84,87.2 v5(19.97,87.2) 19.97,86.94 19.7,86.67 16.47,86.67 16.31,86.84 ; 86.14,89.12 86.11,89.15 86.11,90.25 86.28,90.42 87.15,90.42 87.34,90.24 v5(87.34,90.02) ; 86.14,89.12 86.14,83.76 86.35,83.55 v1(86.35,82.49) 86.18,82.32 v1(83.32,82.32) 80.7,82.32 v1(80.43,82.59) ; v1(58.51,15.26) 58.93,15.68 58.96,15.65 66.94,15.65 69.42,18.14 v1(75.88,18.14) 75.88,19.02 74.98,19.91 74.98,27.2 71.58,30.61 70.18,30.61 v1(69.62,30.05) ; v1(26.76,56.75) 26.54,56.97 24.03,56.97 ; 41.41,57.5 44.03,57.5 v1(46.51,59.97) v1(50.58,64.04) 53.33,66.8 53.33,69.82 v1(53.32,69.82) 53.33,69.83 53.33,73.32 55.67,75.67 v1(55.98,75.67) 58.88,75.67 59.51,76.3 60.79,76.3 61.85,75.24 v1(61.85,74.8) 61.85,74.77 62.26,74.36 66.1,74.36 v1(66.67,74.93) 66,74.93 64.99,75.94 64.99,78.24 65.32,78.57 69.33,78.57 69.52,78.38 69.52,75.94 70.07,75.38 71.05,75.38 v1(71.5,74.93) 72.21,75.64 72.21,80.7 72.92,81.41 v4(72.92,82.51) ; v4(36.24,82.36) 36.06,82.54 33.76,82.54 32.42,81.2 v4(32.37,81.2) 32.17,81 31.4,81 30.89,80.49 ; v1(57.58,80.28) 57.58,80.47 ; v1(45.64,29.77) 46.26,30.38 55.94,30.38 56.49,30.93 v1(56.49,32.08) ; v1(89.59,22.63) 87.32,24.9 82.65,24.9 82.06,25.48 82.06,30.69 83.1,31.73 v1(83.1,32.3) ; 11.76,84.84 v1(11.94,84.66) 11.99,84.61 v1(15.75,84.61) v1(19.61,84.61) 22.34,84.61 v1(24.04,86.31) 26.37,86.31 v4(28.76,88.7) 28.9,88.84 37.95,88.84 38.18,88.62 v1(38.29,88.62) 38.37,88.62 38.64,88.35 38.64,86.05 37.58,84.98 36.85,84.98 36.47,85.35 35.33,85.35 34.99,85.01 34.99,84.36 v4(34.94,84.31) ; 11.76,84.84 11.18,85.43 11.18,89.61 11.59,90.02 v5(12.27,90.02) ; 11.76,84.84 11.76,87.81 11.65,87.92 v1(11.62,87.92) 11.62,87.94 12.27,88.59 v5(12.27,89.22) ; 38.93,28.79 38.98,28.84 ; 30.89,80.49 30.89,76.99 31.45,76.43 32.31,76.43 v1(32.37,76.36) 32.44,76.43 32.7,76.43 33.89,75.23 v1(33.89,72.2) 33.89,67.52 30,63.62 28.13,63.62 v1(27.38,62.86) 25.69,61.18 21.35,61.18 v1(20.87,61.66) 17.6,61.66 v1(16.16,60.22) 16.16,55.02 v1(16.7,54.48) 17.27,54.48 17.58,54.79 24.05,54.79 v1(24.74,54.1) 24.8,54.16 26.03,54.16 26.73,53.46 26.73,51.38 27.84,50.27 v1(28.22,50.27) ; v1(31.45,14.2) 31.38,14.26 30.45,14.26 29.89,14.82 29.89,16.3 30.85,17.26 30.85,19.3 30.26,19.88 30.26,20.72 30.78,21.24 31.3,21.24 31.69,20.85 v1(31.75,20.85) 32.38,20.22 32.38,16.62 31.45,15.69 v1(31.45,15.2) ; v1(65.05,30.05) 65.05,30.63 v1(68.83,34.42) ; v1(51.18,5.97) 51.18,6.05 50.72,6.5 50.72,9.53 51.2,10.01 v1(51.2,10.05) ; v1(80.43,84.38) 80.81,84.76 81.94,84.76 82.5,85.32 v1(82.5,85.53) 82.5,88.67 ; v5(22.81,90.93) 22.56,91.19 19.24,91.19 v5(18.83,91.6) ; 45,8.54 44.67,8.88 41.13,8.88 ; 45,8.54 45.08,8.47 47.14,8.47 47.48,8.12 47.48,6.32 47.13,5.97 v1(46.99,5.97) ; v4(68.29,81.68) 66.85,81.68 65.78,80.6 64.05,80.6 63.02,79.58 63.02,79.57 62.18,78.73 59.61,78.73 59.38,78.96 v1(58.99,78.96) 58.82,78.8 58.82,78.5 58.18,77.85 56.69,77.85 v1(56.56,77.98) 56.37,78.17 56.37,79.44 56.12,79.69 55,79.69 52.88,77.58 v1(52.68,77.58) 52.68,77.37 51.7,76.38 v1(51.7,76.28) 50.56,75.14 50.56,71.95 v1(50.7,71.81) 50.52,71.62 50.52,69.06 v1(47.69,66.23) 43.31,61.85 v1(43.31,61.74) 43.2,61.74 42.06,60.61 41.3,60.61 41,60.91 39.96,60.91 v1(39.8,60.76) ; 41.13,8.88 41.75,8.25 41.75,6.7 v1(41.02,5.97) 41.02,6.36 40.65,6.73 40.65,7.39 41.02,7.76 v1(41.02,8.98) 41.13,8.88 ; v1(15.71,17.89) 16.49,17.89 17.73,16.65 25.72,16.65 27.03,17.96 27.03,18.8 26.75,19.08 v1(24.33,19.08) ; v1(35.72,59.08) 35.54,58.9 35.54,58.4 v1(34.93,57.79) 34.93,57.1 34.66,56.84 32.81,56.84 32.41,56.44 32.41,55.39 v1(32.37,55.35) v1(32.37,52.81) ; v1(22.45,42.8) 22.44,42.81 22.44,43.77 21.35,44.86 v1(20.43,44.86) 19.34,45.94 v1(18.7,45.94) 18.38,46.27 16.59,46.27 16.13,45.82 16.13,43.74 15.67,43.28 13.93,43.28 13.77,43.44 13.77,47.32 v1(13.96,47.51) 14.14,47.69 14.75,47.69 16.32,49.26 v1(16.32,49.96) ; v5(87.78,87.99) 87.78,81.43 87.38,81.03 v1(87.31,81.03) 87.1,81.24 84.74,81.24 84.39,80.89 v1(84.39,79.6) 84.27,79.48 80.25,79.48 79.68,80.05 79.68,80.68 v1(79.12,81.24) ; 28.29,30.69 29.58,30.69 30.34,31.45 31.56,31.45 32.09,31.98 33.91,31.98 v1(35.43,30.45) 35.11,30.45 34.66,30 28.99,30 28.29,30.69 ; 82.5,88.67 v1(82.06,89.1) 81.19,89.1 80.93,89.36 v5(80.93,90.6) 83.74,90.6 84.07,90.27 84.07,89.05 83.69,88.67 82.5,88.67 ; v1(15.71,21.48) v1(17.76,23.53) 19.04,24.81 28.27,24.81 28.65,25.19 v1(28.65,25.32) 29.17,25.32 30.37,26.53 34.63,26.53 v1(35.2,27.11) 35.97,27.11 40.24,31.38 47.38,31.38 v1(47.98,31.98) 48.51,31.45 52.35,31.45 54.91,34.02 v1(54.91,34.75) 55.62,34.75 57.98,37.11 63.64,37.11 v1(64.46,37.94) ; 24.03,56.97 24.02,56.96 ; v1(39.9,59.31) 40.09,59.13 42.7,59.13 v1(45.22,61.65) 46.04,61.65 52.04,67.66 v1(52.04,68.42) v1(52.04,72.86) 52.04,73.5 54.84,76.29 54.84,76.85 v1(54.94,76.94) 55.08,76.79 58.59,76.79 59.38,77.58 61.21,77.58 62.69,76.11 v1(63.48,76.11) 63.8,76.11 64.09,76.4 64.09,78.9 64.72,79.53 69.78,79.53 70.4,80.15 v1(70.4,81.79) ; v1(54.14,8.62) 54.08,8.56 54.08,4.54 53.7,4.16 53.07,4.16 52.72,4.52 v1(52.72,5) ; v1(30.73,46.52) 30.38,46.52 29.73,47.16 29.73,49.14 29.31,49.56 29.31,51.55 28.49,52.37 28.49,54.21 27.91,54.8 26.84,54.8 25.57,56.07 17.86,56.07 v1(17.58,56.35) 17.34,56.59 17.34,59.42 v1(17.74,59.81) 17.74,59.88 17.99,60.13 26.53,60.13 v1(27.05,60.65) 28.46,62.06 30.23,62.06 v1(33.54,65.36) 35.18,67.01 v1(35.18,69.27) 35.18,74.22 v1(35.2,74.24) 35.2,76.97 34.61,77.57 32.91,77.57 v1(32.78,77.69) 32.74,77.69 32.27,78.17 32.27,79.44 32.63,79.8 34.41,79.8 v1(35.38,80.78) ; v1(22.24,74.89) 22.72,75.38 22.72,77.9 21.17,79.45 21.14,79.45 19.47,81.12 12.63,81.12 11.52,80.01 v1(11.52,74.01) ; v1(76.16,14.22) 76.16,15.1 77.33,16.28 78.45,16.28 78.73,16.57 78.73,17.83 78.43,18.14 v1(77.05,18.14) ; 60.37,84.71 61.54,85.88 v1(64.66,85.88) 64.75,85.79 v4(67.69,85.79) ; v1(51.43,82.97) 51.13,82.97 47.11,78.95 47.11,76.12 v1(46.61,75.63) 47.11,75.13 47.11,71.69 v1(46.99,71.58) 46.99,70.92 v1(46.33,70.26) ; v1(27.23,10.39) 26.71,10.92 26.71,11.6 26.9,11.8 28.55,11.8 29.71,10.64 v1(30.23,10.64) ; v1(52.48,22.62) 52.38,22.71 49.43,22.71 49.1,22.38 49.1,20.15 49.36,19.88 50.79,19.88 51.02,20.12 v1(52.76,20.12) ; v1(34.1,61.22) 34.1,62.39 39.3,67.59 v1(39.3,68.14) 39.16,68.29 v1(39.16,71.54) 40.45,71.54 41.01,72.1 41.01,73.48 40.63,73.85 39.53,73.85 v1(39.21,74.17) 39.21,74.15 38.84,73.78 37.77,73.78 37.51,74.05 37.51,76.95 v1(37.26,77.19) ; v1(40.46,78.71) 40.46,78.75 41.95,80.24 43.35,80.24 43.79,79.8 43.79,75.04 v1(43.48,74.73) 43.74,74.48 43.74,72.11 v1(43.08,71.45) 42.22,70.59 42.22,68.72 39.29,65.79 v1(39.09,65.79) 38.78,65.79 35.73,62.74 v1(35.73,60.74) ; 61.33,82.78 v1(61.38,82.73) ; 47.35,54.74 48.31,53.77 48.31,52.22 45.92,49.83 v1(44.75,49.83) 44.75,54.48 45.64,55.37 46.12,55.37 v1(46.76,54.74) 47.35,54.74 ; 56.03,56.59 56.03,57.45 56.54,57.96 57.71,57.96 57.91,58.17 v1(57.91,58.56) 58.3,58.56 58.72,58.98 60.53,58.98 v1(61.09,58.42) 62,58.42 62.31,58.12 62.31,57.56 61.63,56.88 v3(61.06,56.88) 61.06,57.1 60.71,57.45 58.57,57.45 58.06,56.95 57.4,56.95 56.85,56.39 56.24,56.39 56.03,56.59 ; 58.48,68.94 v1(59.26,69.72) 59.23,69.72 58.85,70.1 55.7,70.1 55.22,69.62 55.91,68.94 58.48,68.94
  ART03 w0.122: v1(33.88,33.05) 34.74,32.19 39.34,32.19 39.47,32.31 46.11,32.31 47.29,33.49 47.29,35.53 48.3,36.54 50.99,36.54 v1(53.03,38.58) 55.99,41.54 57.82,41.54 60.11,39.25 ; 43.22,67.62 40.92,65.33 v1(40.64,65.33) ; 43.22,67.62 43.96,68.37 44.68,68.37 46.33,70.02 v1(46.33,70.26) ; 43.22,67.62 43.22,69.53 44.81,71.13 44.81,82.04 v1(44.35,82.5)
  ART03 w0.152: v1(57.91,55.88) 57.35,55.32 57.35,53.34 57.86,52.83 58.95,52.83 62.13,49.66 64.67,49.66 v1(64.87,49.45) 65.07,49.66 79.63,49.66 v1(79.76,49.53) 85.88,49.53 v1(86,49.66) v1(89.79,53.44) v1(92.43,56.08)
  ART03 w0.203: 93.62,58.01 v1(97.51,58.01) v1(103.76,58.01) 107.22,58.01 v1(107.59,57.64) 108.12,57.64 108.91,56.85 109.58,56.85 109.73,57 109.73,58.39 108.94,59.18 v1(103.94,59.18) ; 93.62,58.01 v1(92.43,58.01) 91.69,58.01 v1(88.58,54.9) v1(85.64,51.96) ; 93.62,58.01 93.89,57.74 93.89,56.43 93.55,56.08 v1(92.43,56.08) ; v1(85.64,51.96) v1(84.65,50.97) 84.58,50.9 v1(77.72,50.9) 77.65,50.83 69.93,50.83 v1(69.37,51.38) 68.81,50.83 66.67,50.83 v1(66.29,51.21) 65.91,50.83 62.64,50.83 61.95,51.51 v1(61.95,51.92) 61.87,51.92 v1(57.91,55.88) ; v1(85.64,51.96) v1(65.23,51.96) ; v1(68.48,54.03) 68.48,53.85 69.2,53.12 v1(76.76,53.12) v1(81.6,53.12) 84.87,53.12 v1(87.96,56.21) 90.93,59.18 v1(93.09,59.18) v1(96.82,59.18) v1(100.84,59.18) v1(103.94,59.18) ; v1(75.62,55.53) 75.62,55.22 76.25,54.58 v1(76.78,54.58) v1(78.28,54.58) v1(83.11,54.58) 84.4,54.58 90.42,60.6 v1(93.17,60.6) v1(99.58,60.6) 100.26,61.29 v1(104.01,61.29) 104.37,60.93 104.37,59.61 v1(103.94,59.18) ; v1(51.02,47.88) 51.02,47.59 47.43,44 46.64,44 v1(45.11,42.47) 42.09,42.47 38.63,39.01 38.63,37.83 v1(38.57,37.77) 38.57,37.51 37.57,36.5 v1(37.11,36.5) 36.68,36.07 36.68,35.46 36.88,35.26 37.62,35.26 39.45,37.08 39.45,38.79 40.91,40.25 41.79,40.25 v1(42.71,41.17) 44.44,41.17 44.81,41.53 46.11,41.53 v1(47.28,42.71) 52.02,47.45 v1(52.02,47.89) v1(52.02,53.47) 53.14,54.59 53.14,56.53 52.8,56.88 v1(52.63,56.88) v1(51.26,55.51) 51.09,55.35 51.09,49.34 51.02,49.27 v1(51.02,49.15)
  ART03 w0.254: v1(53.37,83.95) 53.44,83.88 59.88,83.88 60.37,84.36 60.37,86.31 59.88,86.8 58.69,86.8 v1(58.39,87.1)
  ART03 w0.381: v1(68.48,54.03) v1(70.41,55.96) 70.84,55.53 v1(75.62,55.53) ; v1(51.02,47.88) v1(51.02,49.15)
  ART05 w0.102: v1(58.32,0.9) 58.76,1.34 58.76,2.04 58.53,2.27 56.81,2.27 56.57,2.02 v1(56.57,0.84) ; v1(45.97,37.03) 45.97,37.71 43.95,39.74 36.97,39.74 ; 23.88,10.85 24.54,11.51 v1(24.64,11.51) 25.96,11.51 26.75,10.72 26.75,10.11 26.42,9.78 24.38,9.78 23.83,10.34 ; 23.88,10.85 23.88,10.39 23.83,10.34 ; 23.88,10.85 23.62,11.1 22.02,11.1 21.95,11.18 21.03,11.18 22.05,10.16 23.65,10.16 23.83,10.34 ; v1(58.39,63.88) 57.15,63.88 56.03,62.76 56.03,62.27 v1(56.62,61.69) ; v1(93.68,4.33) 93.68,4.36 94.67,5.35 94.67,8.53 95.17,9.04 99.62,9.04 v1(100.1,9.53) ; 32.54,38.4 32.54,38.71 33.56,39.74 36.97,39.74 ; 32.54,38.4 32.54,33.94 v1(32.13,33.53) ; 32.54,38.4 32.79,38.64 35.87,38.64 36.97,39.74 ; v1(33.91,9.04) 33.91,8.94 37.8,5.05 40.49,5.05 41.02,5.59 v1(41.02,5.97) 41.71,5.28 44.09,5.28 44.3,5.08 52.54,5.08 52.62,5 v1(52.72,5) 53.17,4.54 54.48,4.54 54.84,4.9 v1(55.18,4.9) 66.34,4.9 J502.2 ; v1(76.38,32.3) 76.38,32.25 78.08,30.56 78.08,24.92 v1(74.35,21.18) 74.35,20.09 68.1,13.84 v1(66.26,13.84) ; v1(62.61,11.43) 62.94,11.1 62.94,9.78 63.35,9.37 65.33,9.37 66.34,10.39 66.34,11.2 v1(66.24,11.3) 66.57,11.63 69.49,11.63 73.06,15.2 v1(73.06,15.2) 73.06,15.32 v1(75.88,18.14) 75.88,18.22 80.92,23.27 v1(80.92,29.03) ; v1(44.88,29.75) 44.9,29.77 v1(45.64,29.77) ; v1(54.14,9.62) 54.14,9.69 51.33,12.49 49.51,12.49 v1(49.3,12.7) 49.3,13.46 49.03,13.73 43.64,13.73 43.21,14.16 42.69,14.16 v1(42.08,13.55) 40.91,14.71 38.53,14.71 35.59,11.77 31.86,11.77 29.84,13.79 v1(24.64,13.79) ; 56.29,9.37 57.07,8.58 57.6,8.58 59.25,6.93 J502.1 ; 69.97,5.49 71.72,5.49 v1(72.2,5) 71.72,4.52 69.98,4.52 69.49,5 v1(69.49,5) 69.97,5.49 ; 43.88,2.77 44.1,2.99 v1(44.1,3.27) 44.1,3.5 43.84,3.76 42.09,3.76 41.65,3.32 v1(41.65,3.24) 41.71,3.24 42.19,2.77 43.88,2.77
  ART05 w0.381: v1(87.94,1.4) v1(85.4,1.4) v1(84.13,1.4) v1(82.86,1.4) ; v1(20.95,11.18) 21.03,11.18 ; v1(26.09,0.84) v1(29.9,0.84) v1(33.71,0.84) v1(37.52,0.84) v1(41.33,0.84) v1(45.14,0.84) v1(48.95,0.84) v1(52.76,0.84) v1(56.57,0.84) v1(60.38,0.84) v1(64.19,0.84) v1(68,0.84) v1(71.81,0.84) v1(75.62,0.84) v1(79.43,0.84)